# Altium PCB SmartSocket.PcbDoc
Units mil, origin at the board's own origin, x right, y up, seen from the top; angles counter-clockwise.
Board outline 1716 x 1204 mil, 2 copper layers (Top Layer, Bottom Layer); 64 components, 77 nets, 252 pads, 58 vias.
Unrouted connection lines stored in the file: 23.
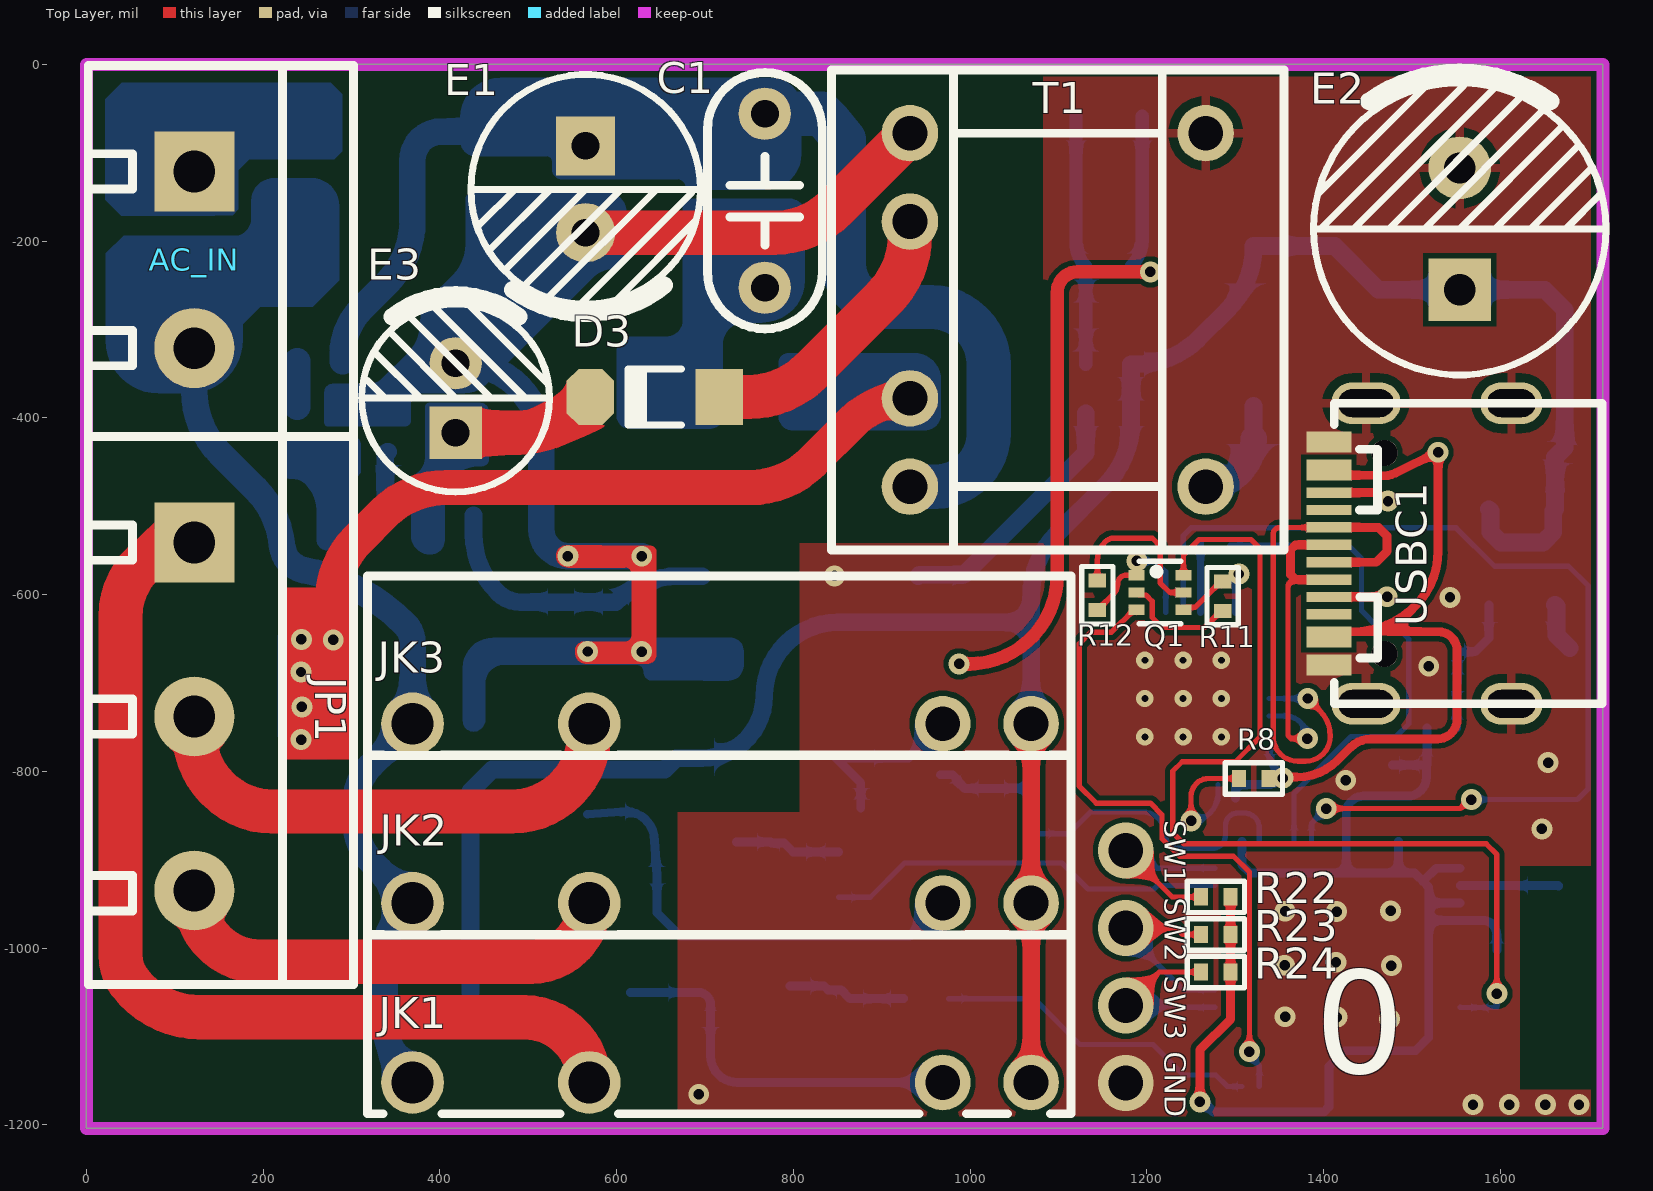
[diagram p0: Top Layer view]
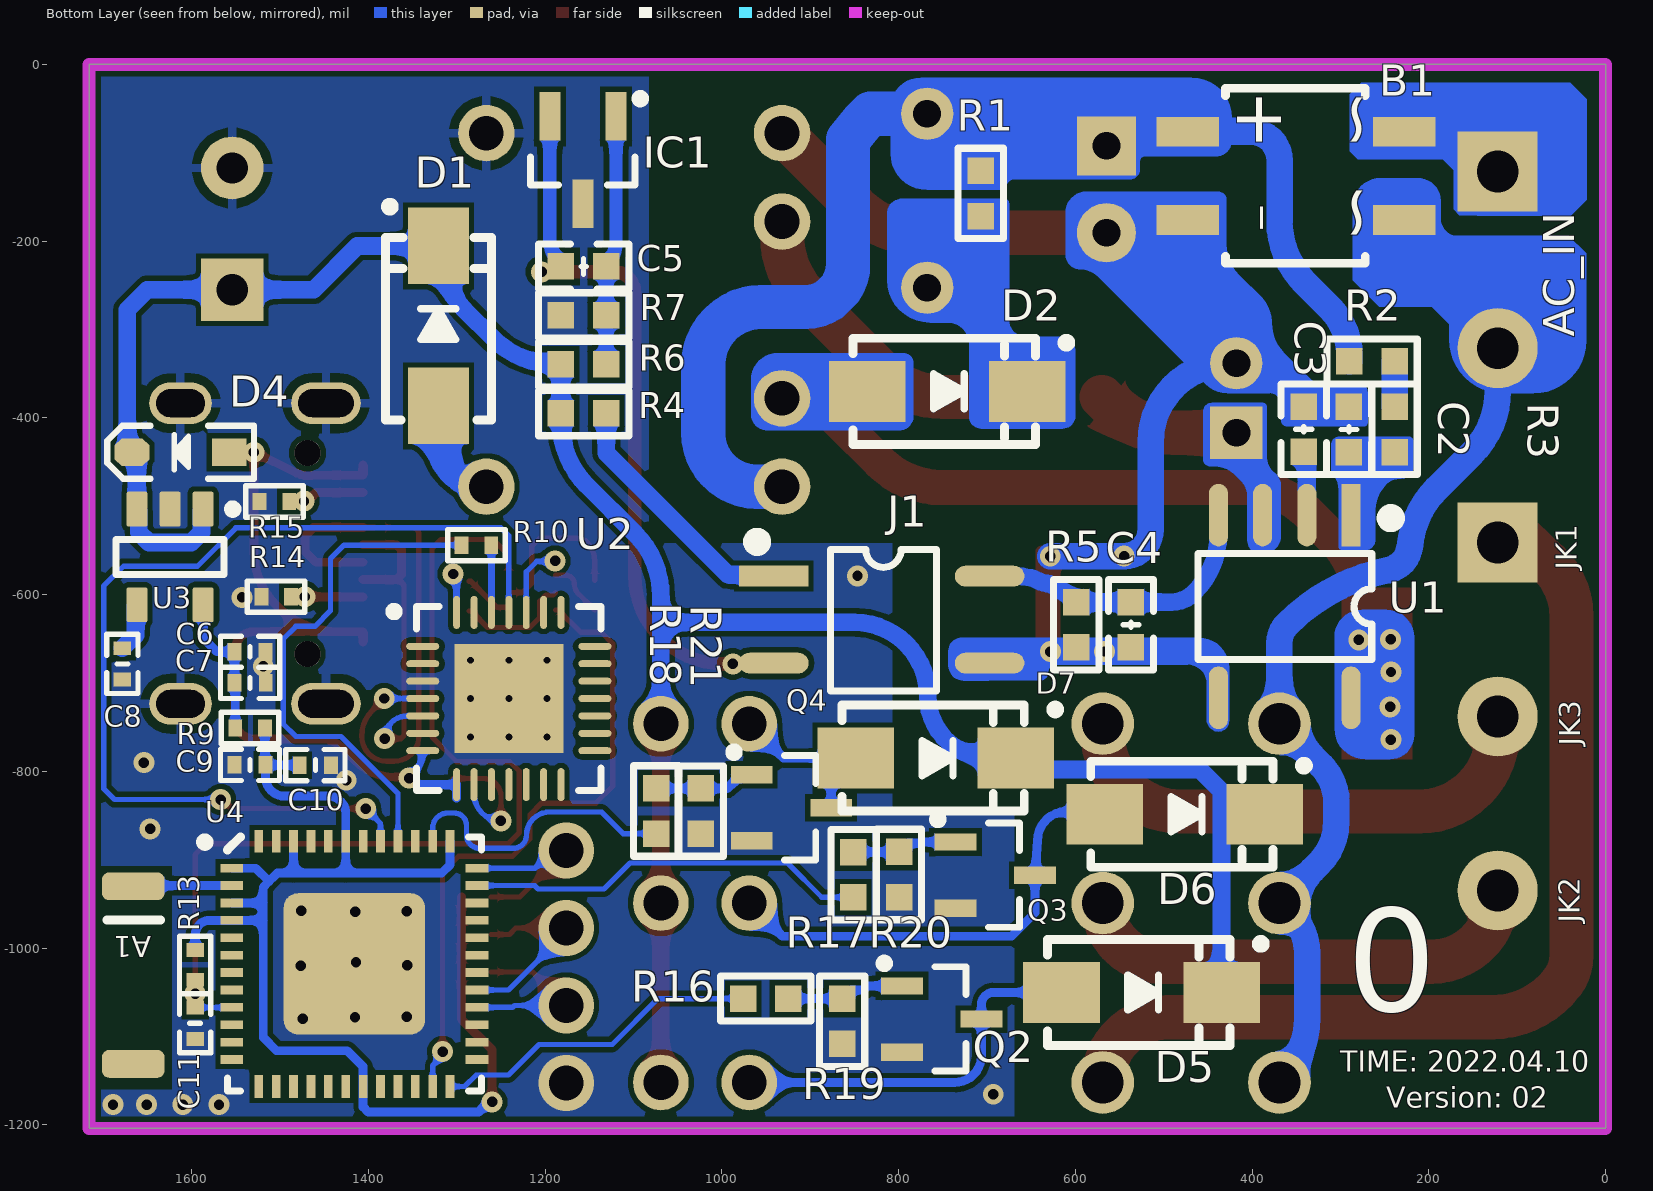
[diagram p1: Bottom Layer view, seen from below]

## Layer stack, top to bottom
Top Solder: solder mask 0.4, Solder Resist, Dk 3.5
Top Layer: signal copper 1.4
Dielectric 1: dielectric 12.6, FR-4, Dk 4.8
Bottom Layer: signal copper 1.4
Bottom Solder: solder mask 0.4, Solder Resist, Dk 3.5

## Board outline
0,-1204 1716,-1204 1716,0 0,0

## Design rules (kind name [scope] priority, off if disabled: settings)
Clearance [All] p1: gap=6 ignorepadtopadclearanceinfootprint=FALSE
ComponentClearance [All] p1: gap=0 collisioncheckmode=3 verticalgap=0 showdistances=FALSE
HoleSize [All] p1: absolutevalues=TRUE maxlimit=3937.01 minlimit=7.87 maxpercent=80.000 minpercent=20.000
HoleToHoleClearance [All] p1: gap=0 allowstackedmicrovias=TRUE
MinimumSolderMaskSliver [All] p1: minsoldermaskwidth=0
PolygonConnect [All] p1: thpad.connectstyle=Relief thpad.reliefconductorwidth=10 thpad.reliefentries=4 thpad.polygonreliefangle="90 Angle" thpad.airgapwidth=10 smdpad.connectstyle=Direct smdpad.reliefconductorwidth=10 smdpad.reliefentries=4 smdpad.polygonreliefangle="90 Angle" smdpad.airgapwidth=10 via.connectstyle=Direct via.reliefconductorwidth=10 via.reliefentries=4 via.polygonreliefangle="90 Angle" via.airgapwidth=10
RoutingVias [All] p1: holewidth=11.81 width=23.62 viastyle="Through Hole" minholewidth=7.87 minwidth=15.75 maxholewidth=3149.61 maxwidth=3937.01
SilkToSilkClearance [All] p1: silktosilkclearance=0
SilkToSolderMaskClearance [IsPad] p1: minsilkscreentomaskgap=0 clearancetoexposedcopper=TRUE
SolderMaskExpansion [All] p1: expansion=4 istentingtop=FALSE
Width [All] p1: maxlimit=100 minlimit=6 preferedwidth=8
24 further rules are at their usual default settings.

## Classes and differential pairs
component class "AC220V-DC5V SCH": AC_IN B1 C1 C2 C3 C4 C5 D1 D2 D3 E1 E2 E3 IC1 J1 R1 R2 R3 R4 R5 R6 R7 T1 U1
component class SmartSocket: A1 C6 C7 C8 C9 C10 C11 D4 D5 D6 D7 JK1 JK2 JK3 JP1 Q1 Q2 Q3 Q4 R8 R9 R10 R11 R12 R13 R14 R15 R16 R17 R18 R19 R20 R21 R22 R23 R24 U2 U3 U4 USB1 USBC1 VT1 VT2

## Components (designator, comment, footprint, x,y, rotation, side; value= is the part's Value field where it differs from the comment)
A1 "AN2051-245" AN2051-245 1666,-1030 r270 bottom
AC_IN "HDR-1X2" KF301-5.0-2P 122,-321 r270 top locked
B1 "MB6S" MBS 350.92,-125.99 r0 bottom
C1 "2.2nF/1KV" "CBB 5*6.3*3" 767.65,-154.17 r90 top
C2 "10nF/50V" "C 0603_L" 290.34,-413 r90 bottom
C3 "331J/50V" "C 0603_L" 341.49,-412.81 r90 bottom
C4 "10nF/50V" "C 0603_L" 537,-634 r270 bottom
C5 "1uF" "C 0603_L" 1156.45,-228.6 r180 bottom
C6 "0.1uF" "C 0402_L" 1533.88,-664.61 r180 bottom
C7 "10uF" "C 0402_L" 1533.85,-699.72 r180 bottom
C8 "10nF" "C 0402_L" 1678.32,-678.38 r270 bottom
C9 "10uF" "C 0402_L" 1533.94,-792.56 r180 bottom
C10 "0.1uF" "C 0402_L" 1459.89,-792.81 r0 bottom
C11 "0.1uF" "C 0402_L" 1596,-1085 r90 bottom
D1 "1N4007" SMA 1320.7,-295.9 r90 bottom
D2 "1N4007" SMA 745.12,-369.88 r180 bottom
D3 "LL4148" "MINI_MELF (LL34)" 643.22,-376.32 r180 top
D4 "B5819WS" SOD-323 1612.51,-438.82 r0 bottom
D5 "SS14" SMA 525.09,-1050.15 r180 bottom
D6 "SS14" SMA 476.26,-848.46 r180 bottom
D7 "SS14" SMA 757.8,-784.92 r180 bottom
E1 "4.7uF/400V" "CAP 2.5*6.3*11.2 - GD" 564.82,-141.29 r270 top
E2 "1000uF/10V" "CAP 3.5*8*11.5" 1554,-186 r90 top locked
E3 "22uF/50V" "CAP 2.0*5*11" 417.79,-377.39 r90 top locked
IC1 "TL431" SOT23-3M 1157.24,-58.73 r0 bottom
J1 "LTV356T" SOP4_N 819.05,-628.21 r180 bottom locked
JK1 "HF49FD/005-1H11" HF49-XX-1H11 369,-1152 r180 top locked
JK2 "HF49FD/005-1H11" HF49-XX-1H11 369,-949 r180 top locked
JK3 "HF49FD/005-1H11" HF49-XX-1H11 369,-746 r180 top locked
JP1 "HDR-1X3" KF301-5.0-3P 122,-737.85 r270 top locked
Q1 "BC847BVC-7" SOT563-6 1214.79,-597.55 r270 top
Q2 "S8050" SOT23-3N 751.18,-1080.17 r270 bottom
Q3 "S8050" SOT23-3N 690.6,-917.32 r270 bottom
Q4 "S8050" SOT23-3N 921.28,-841.25 r270 bottom
R1 "100K" "R 0603_L" 707,-146 r270 bottom
R2 "1M" "R 0603_L" 264.24,-336.1 r180 bottom
R3 "1M" "R 0603_L" 238.66,-413.01 r270 bottom
R4 "150R" "R 0603_L" 1156.45,-394.58 r180 bottom
R5 "10K" "R 0603_L" 599,-634 r90 bottom
R6 "2.49K" "R 0603_L" 1156.45,-339.25 r180 bottom
R7 "2.4K" "R 0603_L" 1156.45,-283.94 r0 bottom
R8 "10K" "R 0402_L" 1322,-808 r180 top
R9 "0R" "R 0402_L" 1532.88,-750.83 r0 bottom
R10 "200R" "R 0402_L" 1276.73,-543.94 r0 bottom
R11 "12K" "R 0402_L" 1285.76,-602.66 r90 top
R12 "12K" "R 0402_L" 1143.93,-599.71 r270 top
R13 "10K" "R 0402_L" 1596,-1020 r90 bottom
R14 "5.1K" "R 0402_L" 1505.38,-602.28 r180 bottom
R15 "5.1K" "R 0402_L" 1507.25,-494.5 r180 bottom
R16 "3k" "R 0603_L" 950.25,-1057.08 r0 bottom
R17 "3k" "R 0603_L" 851.08,-916.8 r270 bottom
R18 "3k" "R 0603_L" 1074.3,-844.79 r270 bottom
R19 "3k" "R 0603_L" 863.91,-1082.79 r90 bottom
R20 "3k" "R 0603_L" 799.52,-916.65 r90 bottom
R21 "3k" "R 0603_L" 1023.89,-844.84 r90 bottom
R22 "10K" "R 0402_L" 1277,-942 r0 top
R23 "10K" "R 0402_L" 1277,-984.5 r0 top
R24 "10K" "R 0402_L" 1277,-1027 r0 top
T1 "EE13-LZK5V" "EE13-5V 4+2" 1099.18,-277.77 r0 top locked
U1 "THX208-N" SOP8-6D 363,-613.35 r270 bottom locked
U2 "CP2102-GMR" SLAB-QFN-28-3125x3125TP_M 1241.03,-717.5 r180 bottom locked
U3 "LP2992IM5-3.3/NOPB" DBV0005A_N 1624.37,-557.31 r270 bottom
U4 "ESP32-PICO-D4" QFN48 1415.78,-1017.79 r180 bottom locked
USBC1 "USB-TypeC-16p" TYPE-C-USB-16P-1 1509.23,-553.4 r90 top locked

## Footprints (in the part's own frame and the unit in brackets; to place one, negate y for a bottom-side part, rotate by r counter-clockwise, add the part's x,y. Pads: shape width x height; smd on the part's side, far side on the other; paste and mask are expansions set on the pad)
AN2051-245 [mm] "天线  5.1mm(L)×2.0mm(W)×1.2mm(H)"
  rrect50% 0.8x1.8 smd: 1(-2.54,0) ""(2.563,0)
  silkscreen extent -1.57,-0.76 -1.57,0.79, body extent -2.57,-0.91 2.54,0.94, height 1.32
"C 0402_L" [mm] "无极性贴片电容"
  rect 0.4x0.5 smd: 1(-0.45,0) 2(0.45,0)
  silkscreen extent -0.85,-0.45 0.85,0.45, body extent -0.5,-0.26 0.5,0.26, height 0.53
"C 0603_L" [mil] "无极性贴片电容"
  rect 30x30 smd: 1(-25.59,0) 2(25.59,0)
  silkscreen extent -51,-26 51,26, body extent -31,-16 31,16, height 32
"CAP 2.0*5*11" [mm] "脚距2mm直径5mm高度11mm"
  rect 1.5x1.5 hole 0.8: 1(-1,0)
  round 1.5 hole 0.8: 2(1,0)
  silkscreen extent -2.7,-2.7 2.96,2.7, body extent -2.5,-2.5 2.51,2.5, height 11.04
"CAP 2.5*6.3*11.2 - GD" [mm] "脚距2.5mm直径6.3mm高度11.2mm"
  rect 1.7x1.7 hole 0.8: 1(-1.25,0)
  round 1.7 hole 0.8: 2(1.25,0)
  silkscreen extent -3.3,-3.3 3.56,3.3, body extent -3.15,-3.15 3.16,3.15, height 11.24
"CAP 3.5*8*11.5" [mm] "脚距3.5mm直径8mm高度11.5mm"
  rect 1.8x1.8 hole 0.9: 1(-1.75,0)
  round 1.8 hole 0.9: 2(1.75,0)
  silkscreen extent -4.2,-4.2 4.5,4.2, body extent -4,-4 4.01,4, height 11.53
"CBB 5*6.3*3" [mm] "脚距5mm高6.3mm厚3mm"
  round 1.5 hole 0.8: 1(-2.5,0) 2(2.5,0)
  silkscreen extent -3.68,-1.65 3.68,1.65, body extent -3.15,-1.5 3.15,1.5, height 6.8
DBV0005A_N [mm] "SOT23, 5-Leads, Body 3.05x1.75mm, Pitch 0.95mm, IPC Medium Density"
  rrect17% 1x0.6 smd: 1(-1.375,0.95) 2(-1.375,0) 3(-1.375,-0.95) 4(1.375,-0.95) 5(1.375,0.95)
  silkscreen extent -1.5,-1.55 0.5,1.92, body extent -1.42,-1.46 1.42,1.46, height 1.08
"EE13-5V 4+2" [mil] "脚距：2.54*8.5 长：13mm，宽：12.5mm，高：11.35mm"
  round 64 hole 39.37: 1(-167.32,200) 2(-167.32,100) 4(-167.32,-100) 5(-167.32,-200) 6(167.32,-200) 10(167.32,200)
  silkscreen extent -256,-272 256,272, body extent -244,-260 244,260, height 486
HF49-XX-1H11 [mm] "一组常开，长：20mm，宽：5mm，高：12.5mm"
  round 1.6 hole 1: 1(-17.78,0) 2(-15.24,0)
  round 1.8 hole 1.2: 3(-5.08,0) 4(0,0)
  silkscreen extent -18.92,-4.24 1.3,0.9, body extent -18.81,-4.16 1.19,0.84, height 12.83
KF301-5.0-2P [mm] "可拼接端子/6A"
  rect 2.3x2.3 hole 1.2: 1(-5.08,0)
  round 2.3 hole 1.2: 2(0,0)
  silkscreen extent -8.13,-3.05 2.54,4.57, body extent -7.95,-3 2.55,4.6, height 10.05
KF301-5.0-3P [mm] "可拼接端子/6A"
  rect 2.3x2.3 hole 1.2: 1(-5,0)
  round 2.3 hole 1.2: 2(0,0) 3(5,0)
  silkscreen extent -8.05,-3.05 7.7,4.57, body extent -7.87,-3 7.63,4.6, height 10.05
MBS [mm] "4.1*6.8*2.5mm(长宽高)"
  rect 1.8x0.85 smd: AC1(-3.127,1.27) AC2(-3.127,-1.27) DC+(3.096,-1.27) DC-(3.096,1.27)
  silkscreen extent -2.01,-2.51 2.01,2.51, body extent -3.4,-2.4 3.4,2.4, height 2.6
"MINI_MELF (LL34)" [mm] "1.5*3.4mm(直径，脚距）"
  rect 1.37x1.62 smd: 1(-1.855,0)
  oct 1.37x1.62 smd: 2(1.855,0)
  silkscreen extent -0.76,-0.8 0.78,0.8, body extent -1.7,-0.75 1.7,0.75, height 1.5
QFN48 [mm] "7mm*7mm（蒜米工坊）"
  rect 0.65x0.25 smd: 1(-3.525,2.75) 2(-3.525,2.25) 3(-3.525,1.75) 4(-3.525,1.25) 5(-3.525,0.75) 6(-3.525,0.25) 7(-3.525,-0.25) 8(-3.525,-0.75) 9(-3.525,-1.25) 10(-3.525,-1.75) 11(-3.525,-2.25) 12(-3.525,-2.75) 25(3.525,-2.75) 26(3.525,-2.25) 27(3.525,-1.75) 28(3.525,-1.25) 29(3.525,-0.75) 30(3.525,-0.25) 31(3.525,0.25) 32(3.525,0.75) 33(3.525,1.25) 34(3.525,1.75) 35(3.525,2.25) 36(3.525,2.75)
  rect 0.25x0.65 smd: 13(-2.75,-3.525) 14(-2.25,-3.525) 15(-1.75,-3.525) 16(-1.25,-3.525) 17(-0.75,-3.525) 18(-0.25,-3.525) 19(0.25,-3.525) 20(0.75,-3.525) 21(1.25,-3.525) 22(1.75,-3.525) 23(2.25,-3.525) 24(2.75,-3.525) 37(2.75,3.525) 38(2.25,3.525) 39(1.75,3.525) 40(1.25,3.525) 41(0.75,3.525) 42(0.25,3.525) 43(-0.25,3.525) 44(-0.75,3.525) 45(-1.25,3.525) 46(-1.75,3.525) 47(-2.25,3.525) 48(-2.75,3.525)
  rrect20% 4.064x4.064 smd: 49(0,0)
  silkscreen extent -4.43,-3.65 3.65,3.65, body extent -3.45,-3.57 3.55,3.43, height 1
"R 0402_L" [mm] "1/16W贴片电阻"
  rect 0.4x0.5 smd: 1(-0.4,0) 2(0.45,0)
  silkscreen extent -0.8,-0.45 0.85,0.45, body extent -0.5,-0.25 0.5,0.25, height 0.3
"R 0603_L" [mil] "1/10W贴片电阻"
  rect 30x30 smd: 1(-25.59,0) 2(25.59,0)
  silkscreen extent -51,-26 51,26, body extent -31,-16 31,16, height 16
SLAB-QFN-28-3125x3125TP_M [mm] "QFN, 28-Leads, Body 5x5mm, Pitch 0.5mm, Thermal Pad 3.13x3.13mm, IPC Low Density"
  oval 0.95x0.2 smd: 1(-2.475,1.5) 2(-2.475,1) 3(-2.475,0.5) 4(-2.475,0) 5(-2.475,-0.5) 6(-2.475,-1) 7(-2.475,-1.5) 15(2.475,-1.5) 16(2.475,-1) 17(2.475,-0.5) 18(2.475,0) 19(2.475,0.5) 20(2.475,1) 21(2.475,1.5)
  oval 0.2x0.95 smd: 8(-1.5,-2.475) 9(-1,-2.475) 10(-0.5,-2.475) 11(0,-2.475) 12(0.5,-2.475) 13(1,-2.475) 14(1.5,-2.475) 22(1.5,2.475) 23(1,2.475) 24(0.5,2.475) 25(0,2.475) 26(-0.5,2.475) 27(-1,2.475) 28(-1.5,2.475)
  rect 3.13x3.13 smd: 29(0,0)
  silkscreen extent -3.42,-2.65 2.65,2.65, body extent -2.5,-2.5 2.5,2.5, height 1
SMA [mm] "4.5x2.6*2.2mm（长宽高，不包括引脚）"
  rect 2.2x1.75 smd: 1(-2.3,0) 2(2.3,0)
  silkscreen extent -2.7,-1.52 3.56,1.52, body extent -2.52,-1.3 2.57,1.3, height 2.15
SOD-323 [mm] "1.8x1.3X0.9mm（长宽高，不包括引脚）"
  rect 1x0.8 smd: 1(-1.4,0)
  oct 1x0.8 smd: 2(1.4,0)
  silkscreen extent -2.11,-0.76 2.11,0.76, body extent -1.34,-0.63 1.31,0.67, height 1
SOP4_N [mm] "4.4*6.8*2.1mm（长宽高）"
  rect 2x0.6 smd: 1(-3.1,1.25)
  oval 2x0.6 smd: 2(-3.1,-1.25) 3(3.1,-1.25) 4(3.1,1.25)
  silkscreen extent -3.74,-2.05 1.57,2.39, body extent -3.4,-2.15 3.4,2.15, height 1.9
SOP8-6D [mm] "5*6*1.8mm（长宽高）"
  rect 1.8x0.55 smd: 1(-2.625,1.905)
  oval 1.8x0.55 smd: 2(-2.625,0.635) 3(-2.625,-0.635) 4(-2.625,-1.905) 5(2.625,-1.905) 8(2.625,1.905)
  silkscreen extent -2.69,-2.5 1.52,3.2, body extent -3,-2.5 3,2.5, height 1.9
SOT23-3M [mm] "3x1.3x1mm(长宽高)"
  rect 0.6x1.4 smd: 1(-0.95,0) 2(0.95,0) 3(0,2.514)
  silkscreen extent -1.78,-0.63 1.5,1.97, body extent -1.5,0.07 1.5,2.47, height 1.05
SOT23-3N [mm] "3x1.3x1mm(长宽高)"
  rect 0.5x1.2 smd: 1(-0.95,-1.143) 2(0.95,-1.143) 3(0,1.143)
  silkscreen extent -1.72,-1.78 1.5,0.7, body extent -1.5,-1.2 1.5,1.2, height 1.05
SOT563-6 [mm]
  rect 0.3x0.45 smd: 1(-0.5,-0.675) 2(0,-0.675) 3(0.5,-0.675) 4(0.5,0.675) 5(0,0.675) 6(-0.5,0.675)
  silkscreen extent -0.9,-0.6 0.9,0.6, body extent -0.8,-0.8 0.8,0.83, height 0.58
TYPE-C-USB-16P-1 [mm]
  oval 1.2x1.8 hole 0.8 slot 1.4 at 90 deg: 0(-4.32,-2.624) 0(4.32,-2.624)
  oval 1.2x2 hole 0.8 slot 1.6 at 90 deg: 0(-4.32,1.556) 0(4.32,1.556)
  rect 0.3x1.3 smd: A1(-3.35,2.623) A4(-2.55,2.623) A5(-1.25,2.623) A6(-0.25,2.623) A7(0.25,2.623) A8(-1.75,2.624) A9(2.55,2.623) A12(3.35,2.623) B1(3.05,2.623) B4(2.25,2.623) B5(1.75,2.623) B6(0.75,2.623) B7(-0.75,2.623) B8(1.25,2.624) B9(-2.25,2.623) B12(-3.05,2.623)
  round 0.75 hole 0.75 unplated: ""(-2.89,1.026) ""(2.89,1.026)
  silkscreen extent -4.32,-5.23 4.32,2.47, body extent -4.45,-5.2 4.5,2.55, height 3.26

## Part data
A1: library part ANT-Rainsun-AP2051, "天线AN2051-245"
AC_IN: library part "Header 02 5.0", "2P接插件", BOM名称=2P接插件, 学习资源=www.ooocke.com, 版权归属=源创客
B1: library part DB, "整流桥", BOM名称=整流桥, 学习资源=www.ooocke.com, 版权归属=源创客
C1: library part C-CBB, "CBB电容", BOM名称=CBB电容, 学习资源=www.ooocke.com, 版权归属=源创客
C2 C3 C4 C5 C6 C7 C8 C9 C10 C11: library part C, "无极性贴片电容", BOM名称=无极性贴片电容, 学习资源=www.ooocke.com, 版权归属=源创客
D1 D2: "整流二极管", BOM名称=整流二极管, 学习资源=www.ooocke.com, 版权归属=源创客
D3: library part 1N4148, "高速开关二极管", BOM名称=高速开关二极管, 学习资源=www.ooocke.com, 版权归属=源创客
D4: library part 1N5819, "肖特基二极管", BOM名称=肖特基二极管, 学习资源=www.ooocke.com, 属性=40V/2A, 版权归属=源创客
D5 D6 D7: "肖特基二极管", BOM名称=肖特基二极管, 学习资源=www.ooocke.com, 属性=40V/1A, 版权归属=源创客
E1 E2 E3: library part C-CAP, "直插电解电容", BOM名称=直插电解电容, 学习资源=www.ooocke.com, 版权归属=源创客
IC1: library part TL431_SMD, "可调基准稳压芯片", BOM名称=可调基准稳压芯片, 学习资源=www.ooocke.com, 版权归属=源创客
J1: library part TLP181, "光耦", BOM名称=光耦, 学习资源=www.ooocke.com, 版权归属=源创客
JK1 JK2 JK3: "5V一组常开"
JP1: library part "Header 03 5.0", "3P接插件", BOM名称=3P接插件, 学习资源=www.ooocke.com, 版权归属=源创客
Q2 Q3 Q4: library part 8050-SMD, "高频放大-NPN型", BOM名称=高频放大-NPN型, 学习资源=www.ooocke.com, 属性="40V 1.5A 1W 100MHZ", 版权归属=源创客
R1 R2 R3 R4 R5 R6 R7 R8 R9 R10 R11 R12 R13 R14 R15 R16 R17 R18 R19 R20 R21 R22 R23 R24: library part R, "贴片电阻", BOM名称=贴片电阻, 学习资源=www.ooocke.com, 版权归属=源创客
T1: "EE13-LZK5V型 2.50mH立式 高频变压器", 购买链接=https://item.taobao.com/item.htm?spm=a1z0d.6639537.1997196601.13.1d207484ADZQT6&id=567021687365
U1: "开关电源芯片"
U2: library part CMP-2000-04924-1, "Single-Chip USB to URAT Bridge, 3.3 V, -40 to 85 degC, 28-Pin QFN, RoHS, Tape and Reel", Manufacturer="Silicon Labs", Operating Supply Voltage (Max)=3.6V, Operating Supply Voltage (Min)=3V, Operating Supply Voltage (Typ)=3.3V, Operating Temperature (Max)=85C, Operating Temperature (Min)=-40C, Operating Temperature Classification=Industrial, Package Description="28-Pin Quad-Flat No-Leads Package, Body 5 x 5 mm, Pitch 0.5 mm", Package Reference=QFN-28, Package Type=QFNEP, Supply Current=26mA, Data Rate=1000kbps, Datasheet URL=http://www.mouser.com/ds/2/368/CP2102-9-247052.pdf, Datasheet Version="Rev. 1.6, 12/2013", Interface Circuit Standard 1=RS-232, Manufacturer URL=http://www.silabs.com/, Mounting=SurfaceMount, Number of Channels=1, Package URL=http://www.silabs.com/Support%20Documents/TechnicalDocs/C8051T61x.pdf, Packaging=TapeandReel, Pin Count=28, Rad Hardened=No, Transmitter and Receiver FIFO Counter=No
U3: library part CMP-0062-02175-3, "Micropower 250 mA Low-Noise Ultra Low-Dropout Regulator, 5-pin SOT-23, Pb-Free", Manufacturer="Texas Instruments", PackageTopMarking=LFEB*XTT, PowerWise=N, ComponentLink1Description="Datasheet URL", ComponentLink1URL=http://www.ti.com/general/docs/lit/getliterature.tsp?genericPartNumber=LP2992&fileType=pdf, CompType="LDO IC", PackageDescription="Molded SOT-23, .115 x .063 x .040 in Body, 5 Lead, .0375 in Pitch", PackageReference=DBV0005A, PinCount=5, RoHS=Y

## Via types
v1: diameter 23.62, hole 11.81, Top Layer to Bottom Layer, 45 vias
v2: diameter 19.68, hole 7.87, Top Layer to Bottom Layer, 9 vias
v3: diameter 62.99, hole 39.37, Top Layer to Bottom Layer, 4 vias

## Nets (pads, with @x,y where several pads share a name; then routed paths per layer and width w, separated by ;. In a path a pad name is that pad's centre, name@x,y a point inside that pad or via, vN(x,y) a via of type N, cw(c..) or ccw(c..) an arc to the next point about the centre after c; other vN are vias at no path point)
3V3A: C9.2 C10.2 R9.1 R13.2 R22.2 R23.2 R24.2 U4.1 U4.3 U4.4 U4.19 U4.37 U4.43 U4.46 | length 1490.4
  Top Layer w10: v1(1260,-1174) 1260,-1115 1294.71,-1080.29 R24.2 R23.2 R22.2
  Bottom Layer w10: v1(1260,-1174) 1263.69,-1174 1275.19,-1185.5 1400.08,-1185.5 1405.94,-1179.64 U4.19 1405.94,-1134.06 1424,-1116 1504,-1116 1519,-1101 1519,-968.57 ; U4.37 1307.51,-905.51 1317,-915 1425.62,-915 ; C10.2 C9.2@1516.22,-792.8 ; U4.46 1484.68,-915 ; R9.1 1517.13,-791.66 cw(c1516.22,-791.66) C9.2 C9.2@1516.22,-792.8 ; U4.3 1519,-948.89 ; U4.1 1527.41,-909.52 1512.46,-924.46 ; R13.2 1596,-985 ccw(c1579.57,-985) 1579.57,-968.57 U4.4 1519,-968.57 ; 1425.62,-915 1484.68,-915 ; 1425.62,-915 U4.43 1425.62,-847.38 cw(c1445,-847.38) 1445,-828 1495,-828 ccw(c1495,-806.78) 1516.22,-806.78 C9.2@1516.22,-792.8 ; 1484.68,-915 1503,-915 1505.93,-917.93 1512.46,-924.46 ; 1512.46,-924.46 1519,-931 1519,-948.89 ; 1519,-968.57 1519,-948.89
+5V: D1.2 D4.2 D5.2 D6.2 D7.2 E2.1 JK1.1 JK2.1 JK3.1 R4.1 R6.1 U3.1 U3.3 | length 2773.7
  Top Layer w20: JK1.1 JK2.1 JK3.1
  Bottom Layer w20: D5.2 434.54,-822.31 459.1,-797.76 654.41,-797.76 D7.2 696.47,-784.92 ccw(c696.47,-714.4) 766.99,-714.4 cw(c850.1,-714.4) 850.1,-631.3 1069,-631.3 ; JK3.1 1069,-631.3 ; U3.1 1588.78,-504.99 1588.78,-529.19 1600.5,-540.91 1648.25,-540.91 1659.96,-529.19 1659.96,-504.99 U3.3 1661.77,-444.57 1667.52,-438.82 D4.2 1672.89,-433.55 1672.89,-277.72 1650.07,-254.9 E2.1 1461.97,-254.9 1412.42,-205.35 D1.2 1320.7,-206.66 cw(c1220.7,-206.66) 1291.41,-277.37 1258.81,-309.97 cw(c1188.1,-239.26) 1188.1,-339.26 R6.1 R4.1 1182.04,-405.56 cw(c1082.04,-405.56) 1152.75,-476.27 1098.29,-530.73 ccw(c1169,-601.44) 1069,-601.44 1069,-631.3
+16V: D3.1 T1.2 | length 322.8
  Top Layer w50: D3.1 749.14,-376.32 ccw(c749.14,-276.32) 819.85,-347.03 902.57,-264.32 ccw(c831.86,-193.61) 931.86,-193.61 T1.2
+311V: B1.DC+ C1.2 E1.1 R1.1 R2.1 T1.5 | length 1049.6
  Bottom Layer w30: R2.1 289.83,-328.73 cw(c365.2,-328.73) 311.91,-275.43 339.65,-247.69 ccw(c268.94,-176.98) 368.94,-176.98 368.94,-108.34 cw(c401.29,-108.34) 401.29,-75.99 B1.DC+
  Bottom Layer w50: C1.2 831.7,-55.75 840,-64.05 857.06,-85.04 857.06,-226.12 ccw(c905.29,-226.12) 865.77,-253.76 877.64,-265.63 ccw(c905.29,-226.12) 905.29,-274.34 955.12,-274.34 cw(c955.12,-340.32) 1021.1,-340.32 1021.1,-417.07 cw(c960.4,-417.07) 960.4,-477.77 T1.5 T1.5@931.86,-478.36
AC_L: AC_IN.2 B1.AC1 JK1.4 JK2.4 JK3.4 | length 1015.2
  Bottom Layer w30: AC_IN.2 122,-369.58 ccw(c222,-369.58) 151.29,-440.29 191.36,-480.36 cw(c118.58,-553.14) 220.95,-542.39 ccw(c262.81,-537.99) 224.01,-554.33 224.05,-554.4 ccw(c251.66,-542.68) 245.67,-572.08 cw(c201.94,-791.74) 360.24,-633.3 cw(c339,-654.49) 369,-654.49 JK3.4 322.22,-792.78 ccw(c365.04,-835.61) 304.48,-835.61 304.48,-856.75 ccw(c371.43,-856.75) 324.09,-904.09 JK2.4 355.39,-962.61 ccw(c398.3,-1005.52) 337.61,-1005.52 337.61,-1079.19 ccw(c437.61,-1079.19) 366.9,-1149.9 JK1.4
AC_N: AC_IN.1 B1.AC2
CP_Rx: U2.25 U4.41 | length 1155.1
  Top Layer w6: v1(1403,-842) 1554.79,-842 1564.91,-831.88 v1(1567.12,-831.88)
  Bottom Layer w6: U2.25 1241.03,-533.45 1250.11,-524.37 1549.91,-524.37 1593.42,-567.88 1677.1,-567.88 1699.5,-590.28 1699.5,-819.5 1687.12,-831.88 v1(1567.12,-831.88) ; U4.41 1386.25,-858.75 v1(1403,-842)
CP_Tx: R10.2 U4.40 | length 592.9
  Bottom Layer w6: R10.2 1427.46,-543.94 1442.75,-559.23 1442.75,-618.07 1460.51,-635.83 1482.03,-635.83 1496.34,-650.14 1496.34,-746.18 1482.04,-760.48 1430.88,-760.48 1366.57,-824.8 U4.40
DTR: Q1.4 R11.2 U2.28 | length 102.8
  Top Layer w6: Q1.4 1244.27,-614.32 1254.43,-614.32 1283.8,-584.95 R11.2
  Bottom Layer w8: U2.28 1300.08,-584.79 1304.03,-580.85 v1(1304.03,-576.62)
ESP_EN: C11.2 Q1.6 R13.1 U4.9 | length 1125.6
  Top Layer w6: Q1.6 1241.37,-555.08 1258.93,-537.51 1317.68,-537.51 1327.96,-547.8 1327.96,-761.04 1300,-789 1240,-789 1229.19,-799.81 1229.19,-869.19 1242,-882 1584,-882 1596,-894 v1(1596,-1051.38)
  Bottom Layer w6: U4.9 1554.7,-1067.14 1595.85,-1067.14 1596,-1067 v1(1596,-1051.38) R13.1
FLASH_CLK: U4.31
FLASH_CS: U4.25
FLASH_SD0: U4.27
FLASH_SD1: U4.33
FLASH_SD2: U4.30
FLASH_SD3: U4.32
GND: C6.2 C7.2 C8.2 C9.1 C10.1 C11.1 E2.2 IC1.3 Q2.2 Q3.2 Q4.2 R7.2 R14.1 R15.1 R19.1 R20.1 R21.1 T1.10 U2.3 U2.29 U3.2 U4.49 USBC1.0 USBC1.A1 USBC1.A12 USBC1.B1 USBC1.B12
  other v1: 1569,-1177 1610,-1177 1651,-1177 1689,-1177 692.91,-1165.35 1474.32,-1079.97 1415.11,-1078.08 1356.38,-1077.61 1355.9,-1019.35 1476.69,-1019.82 1414,-1016 1356.38,-958.23 1414.64,-958.72 1475.74,-957.77 1647,-865 1425,-810 1654,-790 1519,-681 1543,-603 846.46,-578.74
  other v2: 1197.72,-760.81 1241.03,-760.81 1284.34,-760.81 1197.72,-717.5 1241.03,-717.5 1284.34,-717.5 1197.72,-674.2 1241.03,-674.2 1284.34,-674.2
  other v3: 1176.13,-1152.56
GPIO0: Q1.3 U4.23 | length 737.9
  Top Layer w6: Q1.3 1185.26,-617.22 1160.03,-642.45 1136.52,-642.45 1123.28,-655.69 1123.28,-816.52 1142.64,-835.88 1203.88,-835.88 1217.19,-849.19 1217.19,-876.19 1237,-896 1298,-896 1316,-914 v1(1316,-1117)
  Bottom Layer w6: v1(1316,-1117) 1316,-1121.77 1327.2,-1132.97 U4.23 U4.23@1327.1,-1156.47
GPIO2: U4.22
GPIO4: R16.2 U4.24 | length 372.9
  Bottom Layer w6: R16.2 1072.08,-1057.08 1124,-1109 1207,-1109 1241.5,-1143.5 1277.93,-1143.5 1291,-1156.57 U4.24
GPIO5: U4.34
GPIO9: R24.1 U4.28 | length 202.6
  Top Layer w6: v3(1176.13,-1064.86) 1213.99,-1027 R24.1
  Bottom Layer w6: v3(1176.13,-1064.86) 1234.72,-1064.86 1236.86,-1067 U4.28
GPIO10: R23.1 U4.29 | length 221
  Top Layer w6: v3(1176.13,-977.16) 1233.15,-977.16 1240.5,-984.5 R23.1
  Bottom Layer w6: v3(1176.13,-977.16) 1176.13,-982.13 1241.32,-1047.31 U4.29
GPIO12: U4.18
GPIO13: U4.20
GPIO14: U4.17
GPIO15: U4.21
GPIO18: R17.2 U4.35 | length 455.6
  Bottom Layer w6: R17.2 886.95,-942.39 925.61,-903.73 1104.01,-903.73 1133.28,-933 1208,-933 1211.8,-929.2 U4.35
GPIO19: R18.2 U4.38 | length 338.6
  Bottom Layer w6: R18.2 1111.63,-870.37 1136,-846 1195,-846 cw(c1195,-872) 1221,-872 ccw(c1236,-872) 1236,-887 1274,-887 ccw(c1274,-872) 1289,-872 1289,-861 cw(c1303,-861) 1303,-847 1310,-847 cw(c1310,-864.2) 1327.2,-864.2 U4.38
GPIO21: U4.42
GPIO22: U4.39
GPIO23: R22.1 U4.36 | length 216.1
  Top Layer w6: v3(1176.13,-889.46) 1228.67,-942 R22.1
  Bottom Layer w6: v3(1176.13,-889.46) 1191.55,-889.46 1211.61,-909.52 U4.36
GPIO25: U4.14
GPIO26: U4.15
GPIO27: U4.16
GPIO32: U4.12
GPIO33: U4.13
GPIO34: U4.10
GPIO35: U4.11
GPIO37: U4.6
GPIO38: U4.7
H_GND: B1.DC- C2.2 C3.2 C4.2 E1.2 E3.2 J1.3 R5.1 T1.1 U1.5 | length 815.7
  Top Layer w50: E1.2 777.7,-190.51 ccw(c777.7,-90.51) 848.42,-161.22 T1.1
  Bottom Layer w20: U1.5 U1.5@438,-688.06
  Bottom Layer w30: E3.2@417.82,-338.39 cw(c425.41,-427.4) 514.75,-427.4 514.75,-526.17 ccw(c544.87,-526.17) v1(544.87,-556.29) 545.13,-556.55 v1(628.4,-556.55)
  other v1: 567.06,-664.32 628.14,-664.36
JK1: JK1.3 JP1.1 | length 1122.4
  Top Layer w50: JP1.1 ccw(c122,-624.5) 57.09,-571.98 ccw(c122,-624.5) 38.5,-624.5 38.5,-1008.22 ccw(c88.5,-1008.22) 48.5,-1038.22 ccw(c128.5,-978.22) 128.5,-1078.22 495.22,-1078.22 cw(c495.22,-1152) JK1.3
JK2: JK2.3 JP1.3 | length 533.1
  Top Layer w50: JP1.3 122,-939.66 ccw(c197.77,-939.66) 197.77,-1015.43 502.57,-1015.43 ccw(c502.57,-949) JK2.3
JK3: JK3.3 JP1.2 | length 577.4
  Top Layer w50: JP1.2@124.11,-738.29 ccw(c211.25,-756.49) 211.25,-845.51 480.65,-845.51 ccw(c480.65,-757.25) JK3.3@568.2,-746.1
NetA1_1: A1.1 U4.2 | length 111.9
  Bottom Layer w10: U4.2 1665.2,-929.2 cw(c1665.2,-930) A1.1
NetC1_1: C1.1 D2.2 R1.2
NetC2_1: C2.1 R3.2 U1.1
NetC3_1: C3.1 U1.2 | length 73.6
  Bottom Layer w20: U1.2 338,-441.89 cw(c341.48,-441.89) C3.1
NetC4_1: C4.1 J1.4 R5.2 U1.4 | length 337.3
  Bottom Layer w20: U1.4 438,-531.04 ccw(c532.4,-531.04) 465.65,-597.8 ccw(c491.27,-572.18) 491.27,-608.41 C4.1 R5.2 599.12,-608.29 604,-603.71 ccw(c593.85,-591.34) 604.27,-603.49 cw(c669.83,-679) 625.84,-589.19 cw(c634.6,-607.18) 632.13,-587.33 ccw(c628.4,-556.55) 644.11,-583.28 cw(c654.21,-600.54) 650.25,-580.94 cw(c669.83,-679) 669.52,-579 J1.4
NetC5_1: C5.1 IC1.2 J1.2 | length 780.4
  Top Layer w15: v1(987.54,-678.23) 998.49,-678.23 ccw(c998.49,-578.23) 1098.49,-578.23 1098.49,-257.77 cw(c1121.59,-257.77) 1121.59,-234.67 v1(1203.99,-234.67)
  Bottom Layer w15: C5.1 ccw(c1151.61,-198.18) 1194.64,-198.18 IC1.2
NetC5_2: C5.2 IC1.1 R6.2 R7.1 | length 283.5
  Bottom Layer w15: IC1.1 1119.84,-202.01 ccw(c1157.46,-202.01) C5.2 R7.1 R6.2
NetC8_1: C8.1 U3.4 | length 56.1
  Bottom Layer w20: U3.4 1663.58,-613.25 1663.58,-645.92 C8.1
NetD1_1: D1.1 T1.6 | length 122.3
  Bottom Layer w20: D1.1@1320.7,-423.58 D1.1
  Bottom Layer w30: T1.6 ccw(c1266.51,-423.58) D1.1@1320.7,-423.58
NetD2_1: D2.1 T1.4 U1.8 | length 762.3
  Top Layer w40: 278.22,-613.67 278.22,-607.53 cw(c378.22,-607.53) 307.51,-536.82 336.29,-508.04 cw(c407,-578.75) 407,-478.75 750.84,-478.75 ccw(c750.84,-378.75) 821.55,-449.46 865.93,-405.08 cw(c931.86,-471.01) T1.4
  other v1: 242.85,-764.05 243.79,-726.92 242.8,-687.5 279.21,-651.09 243.29,-650.59
NetD3_2: D3.2 E3.1 U1.3 | length 164.8
  Top Layer w50: E3.1 488.32,-416.77 ccw(c488.32,-316.77) 559.03,-387.48 D3.2
NetD5_1: D5.1 JK1.2 Q2.3 | length 436.3
  Bottom Layer w10: D5.1 692.68,-1050.15 cw(c692.68,-1063.65) 706.18,-1063.65 Q2.3 706.18,-1121.51 ccw(c736.67,-1121.51) 736.67,-1152 JK1.2
NetD6_1: D6.1 JK2.2 Q3.3 | length 526.6
  Bottom Layer w10: D6.1 604.87,-845.74 604.92,-845.73 ccw(c604.15,-835.76) 605.44,-845.68 cw(c609.9,-878.28) 642.8,-878.27 642.82,-878.61 Q3.3 645.6,-959.93 672.23,-986.56 931.44,-986.56 JK2.2
NetD7_1: D7.1 JK3.2 Q4.3 | length 204.7
  Bottom Layer w10: Q4.3 876.28,-812.84 D7.1 930.08,-784.92 JK3.2
NetJ1_1: J1.1 R4.2 | length 292.5
  Bottom Layer w20: J1.1 942.71,-577.39 993.09,-577.39 1130.86,-439.62 R4.2
NetQ1_2: Q1.2 R11.1 | length 132.3
  Top Layer w6: Q1.2 1191.12,-600.45 1198.93,-600.45 1206.07,-607.59 1206.07,-625.75 1217.39,-637.06 1265.15,-637.06 1283.8,-618.41 R11.1
NetQ1_5: Q1.5 R12.1 | length 185.6
  Top Layer w6: R12.1 1143.92,-561.7 cw(c1174.42,-561.7) 1152.86,-540.13 cw(c1162.53,-549.81) 1162.53,-536.13 1206.13,-536.13 1215,-545 1215,-586.64 1225.9,-597.55 Q1.5
NetQ2_1: Q2.1 R16.1 R19.2 | length 134.5
  Bottom Layer w10: Q2.1 834.8,-1042.77 839.24,-1047.2 853.9,-1047.2 R19.2 864.03,-1057.08 R16.1
NetQ3_1: Q3.1 R17.1 R20.2 | length 120.2
  Bottom Layer w10: Q3.1 774.22,-879.92 775.36,-881.06 789.52,-881.06 R20.2 799.66,-891.21 R17.1
NetQ4_1: Q4.1 R18.1 R21.2 | length 115.3
  Bottom Layer w10: Q4.1 980.06,-803.85 984.9,-808.69 984.9,-810.26 993.89,-819.25 R21.2 1023.95,-819.19 R18.1
NetR2_2: R2.2 R3.1 | length 51.3
  Bottom Layer w30: R3.1 R2.2@238.67,-336.1
NetR8_2: R8.2 U2.9 | length 152.1
  Top Layer w6: v1(1250,-856) 1250,-828 cw(c1270,-828) 1270,-808 R8.2
  Bottom Layer w6: v1(1250,-856) ccw(c1250,-825.6) 1280.4,-825.6 U2.9
NetR10_1: R10.1 U2.26 | length 81.6
  Bottom Layer w8: R10.1@1260.44,-538.55 1260.71,-538.83 U2.26
NetR14_2: R14.2 USBC1.A5 | length 66
  Top Layer w10: USBC1.A5 1406.09,-602.47 1471.68,-602.47 v1(1471.82,-602.33)
NetR15_2: R15.2 USBC1.B5 | length 70.9
  Top Layer w10: USBC1.B5 1459.52,-484.5 1469.16,-494.14 v1(1472.85,-494.14)
RTS: Q1.1 R12.2 U2.24 | length 149.1
  Top Layer w6: R12.2 1162.35,-599 ; 1162.36,-599 ccw(c1151.4,-588.05) 1166.89,-588.05 cw(c1177.08,-588.05) 1177.08,-577.86 Q1.1
  Bottom Layer w6: v1(1188.7,-561.8) 1189.2,-562.3 1209.51,-562.3 1221.34,-574.14 U2.24
SENSOR_VN: U4.8
SENSOR_VP: U4.5
USB-PWR-DM: U2.5 USBC1.A7 USBC1.B7 | length 382.1
  Top Layer w6: 1368.32,-582.93 ccw(c1368.32,-591.63) 1359.62,-591.63 1359.62,-759.41 1363.13,-762.93 v1(1381.54,-762.93)
  Top Layer w10: USBC1.B7 1368.32,-582.93 1362.46,-577.07 1362.46,-549.42 1368.32,-543.56 USBC1.A7
  Bottom Layer w6: U2.5 1355.8,-737.19 cw(c1355.8,-762.93) v1(1381.54,-762.93)
USB-PWR-DP: U2.4 USBC1.A6 USBC1.B6 | length 646.3
  Top Layer w6: v1(1382.01,-717.48) 1395.37,-730.84 cw(c1366.02,-760.19) 1407.53,-760.19 cw(c1379.17,-760.19) 1379.17,-788.55 1370.89,-788.55 cw(c1370.89,-760.5) 1342.84,-760.5 1342.84,-531.69 cw(c1350.66,-531.69) 1350.66,-523.87 USBC1.B6
  Top Layer w10: USBC1.A6 1459.38,-563.24 1471.76,-550.86 1471.76,-533.68 1461.96,-523.87 USBC1.B6
  Bottom Layer w6: U2.4 v1(1382.01,-717.48)
VBUS: D4.1 R8.1 U2.7 U2.8 USBC1.A4 USBC1.A9 USBC1.B4 USBC1.B9 | length 979.2
  Top Layer w10: v1(1353.84,-807.57) 1354.91,-806.5 1369.66,-806.5 ccw(c1369.66,-741.45) 1415.66,-787.45 1430.17,-772.94 cw(c1453.61,-796.37) 1453.61,-763.23 1528.77,-763.23 ccw(c1528.77,-741) 1551,-741 1551,-663 ccw(c1529.98,-663) 1529.98,-641.98 1475.12,-641.98 cw(c1475.17,-631.98) 1473.44,-641.83 ccw(c1468.84,-667.18) 1464.25,-641.83 cw(c1462.52,-631.98) 1462.56,-641.98 1432.95,-641.98 ; USBC1.A4 USBC1.B9 1432.95,-641.98 ; USBC1.A9 USBC1.B4 1462.56,-464.82 cw(c1462.52,-474.82) 1464.25,-464.97 ccw(c1468.84,-439.62) 1480.95,-462.36 cw(c1485.61,-471.21) 1481.28,-462.19 v1(1529.51,-438.82) 1529.51,-550.58 cw(c1441.95,-550.58) 1503.86,-612.49 1503.66,-612.69 cw(c1432.95,-541.98) 1432.95,-641.98
  Bottom Layer w8: U2.7@1339.31,-776.56 U2.7 ccw(c1376.24,-776.56) 1349.53,-803.27 v1(1353.84,-807.57)
  Bottom Layer w10: U2.8@1300.08,-830.25 U2.8 1336.04,-814.94 ccw(c1336.04,-789.77) v1(1353.84,-807.57)
VCC_3V3: C6.1 C7.1 R9.2 U3.5 | length 166.7
  Bottom Layer w10: R9.2 1550.59,-699.72 C7.1 ; C7.1@1551.59,-699.71 1551.59,-664.63 1571.51,-664.61 1586.97,-649.15 U3.5
pads on no net: A1. U2.1 U2.2 U2.6 U2.10 U2.11 U2.12 U2.13 U2.14 U2.15 U2.16 U2.17 U2.18 U2.19 U2.20 U2.21 U2.22 U2.23 U2.27 U4.26 U4.44 U4.45 U4.47 U4.48 USBC1. USBC1.A8 USBC1.B8

## Polygon pours and split planes (outlines as drawn)
GND on Top Layer "GND_L01_P003" (solid, remove dead copper, pour order 3): 1622.05,-906.94 1716,-906.94 1716,0 1082.68,0 1082.68,-541.6 807.09,-541.6 807.09,-846.46 669.29,-846.46 669.29,-1204 1716,-1204 1716,-1160 1622.05,-1160
GND on Bottom Layer "GND_L02_P004" (solid, remove dead copper, pour order 4): 1622.05,-907 1716,-907 1716,0 1082.68,0 1082.68,-541.6 807.09,-541.6 807.09,-846.46 669.29,-846.46 669.29,-1204 1716,-1204 1716,-1160 1622.05,-1160

## Keep-outs
Keep-Out Layer:
  the board outline again, w15

## Other copper
Top Layer:
  rectangle net NetD2_1: 218.55,-786.46 298.6,-592.05
  region net VBUS: 1496.01,-635.15 ccw(c1500.48,-630.68) 1500.48,-637 1511,-637 cw(c1508.59,-639.41) 1512,-639.41 1512,-641 1490.47,-641 cw(c1490.47,-618.59) 1474.62,-634.44 cw(c1480.27,-634.44) 1476.28,-630.45 1481.54,-625.18 cw(c1495.94,-639.57) 1495.94,-619.22 1504.04,-619.29 1498.87,-624.46 ccw(c1505.76,-631.36) 1496.01,-631.36
  region net H_GND: 531.56,-555.11 cw(c542.37,-555.11) 542.37,-544.3 546.88,-544.31 583.39,-544.3 637.91,-544.58 cw(c637.91,-551.6) 644.93,-551.6 644.93,-668.09 cw(c634.79,-668.09) 634.79,-678.23 565.62,-678.23 cw(c565.62,-665.49) 552.88,-665.49 552.88,-663.41 cw(c563.28,-663.41) 563.28,-653.01 610.34,-653.01 ccw(c610.34,-646.51) 616.85,-646.51 616.85,-576.3 ccw(c609.82,-576.3) 609.82,-569.27 544.55,-569.27 cw(c544.55,-556.28) 531.56,-556.28
Bottom Layer:
  region net AC_L: 176.75,-294.14 196.89,-274 256,-274 286,-244 286,-179.3 286,-160.22 ccw(c254.41,-160.21) 254.41,-128.63 212.29,-128.63 ccw(c212.29,-154.29) 186.62,-154.29 186.62,-167.78 186.62,-174.38 cw(c167,-174.38) 167,-194 42,-194 22.08,-213.92 22.08,-312.89 ccw(c81.32,-312.89) 81.32,-372.13 116.2,-372.13 ccw(c116.21,-311.58) 176.75,-311.58
  region net NetD2_1: 247.84,-617.05 276.04,-617.05 cw(c276.04,-647.56) 306.55,-647.56 306.55,-751.81 cw(c272.09,-751.81) 272.09,-786.27 243.84,-786.27 cw(c243.84,-759.15) 216.72,-759.15 216.72,-648.16 cw(c247.84,-648.16)
  region net H_GND: 697.81,-697.12 726.94,-697.12 ccw(c726.94,-680.43) 743.62,-680.43 743.62,-663.73 ccw(c728.65,-663.73) 728.65,-648.76 459.8,-648.76 ccw(c459.8,-682.58) 425.98,-682.58 425.98,-742.94 ccw(c437.96,-742.94) 437.96,-754.93 ccw(c437.96,-741.66) 451.23,-741.66 451.23,-700.56 cw(c472.64,-700.56) 472.64,-679.16 622.02,-679.16 cw(c622.02,-687.85) 630.72,-687.85 ccw(c639.93,-687.85) 639.93,-697.06 697.84,-697.06
  region net NetD3_2: 367.26,-476.47 cw(c384.12,-476.47) 372.2,-464.55 377.58,-459.17 ccw(c363.95,-445.53) 383.23,-445.53 383.23,-432.03 383.23,-387.83 cw(c388.07,-387.83) 388.07,-383 445.75,-382.99 445.77,-382.99 cw(c445.77,-392.64) 455.42,-392.64 455.42,-446.76 cw(c447.62,-446.76) 447.62,-454.56 443.41,-454.56 ccw(c443.41,-488.33) 419.53,-464.45 411.81,-472.16 ccw(c427.62,-487.97) 405.27,-487.97 405.27,-538.88 cw(c389.67,-538.88) 389.67,-554.48 388.68,-554.48 cw(c388.68,-533.06) 367.26,-533.06
  region net NetC2_1: 264.85,-421.25 222.32,-421.25 ccw(c222.32,-425.88) 217.69,-425.88 217.69,-455.45 ccw(c231.14,-455.45) 231.14,-468.89 232.9,-468.89 233.18,-468.9 cw(c233.18,-489.98) 248.08,-475.08 cw(c218.46,-504.7) 260.36,-504.71 260.36,-537.93 ccw(c272.02,-537.93) 272.02,-549.6 297.79,-549.6 ccw(c297.79,-545.44) 301.95,-545.44 301.95,-481.08 cw(c327.67,-481.08) 309.48,-462.89 ccw(c306.88,-460.29) 310.56,-460.29 310.56,-430.62 ccw(c301.17,-430.62) 301.63,-421.25
  region net NetD2_1: 783.24,-338 cw(c794.71,-338.05) 794.71,-326.58 936.7,-326.57 cw(c936.7,-356.8) 966.93,-356.8 966.93,-395.45 cw(c948.18,-395.45) 948.18,-414.2 799.56,-414.2 cw(c799.56,-397.9) 783.25,-397.9
  region net H_GND: 593.99,-232.02 ccw(c593.99,-215.01) 611,-215.01 611,-167.23 ccw(c587.77,-167.23) 587.77,-144 438,-144 ccw(c438,-153) 429,-153 429,-203.31 cw(c379.44,-203.31) 414.48,-238.36 389.16,-263.68 ccw(c416.49,-291.01) 377.84,-291.01 377.84,-291.84 cw(c328.74,-291.84) 363.46,-326.56 335.33,-354.69 cw(c318.7,-338.06) 318.7,-361.58 278.3,-361.58 ccw(c278.3,-370.59) 269.29,-370.59 269.29,-405.67 ccw(c272.97,-405.67) 272.97,-409.35 360.67,-409.35 ccw(c360.67,-403.01) 367.01,-403 367.02,-384.96 cw(c380.04,-384.96) 380.04,-371.94 428.2,-371.93 ccw(c428.2,-337.83) 452.32,-361.94 481.72,-332.56 565.18,-249.1 573.97,-240.32 cw(c593.99,-260.34)
  region net NetC1_1: 720,-317 720,-399 cw(c707,-399) 707,-412 614,-412 cw(c614,-398) 600,-398 600,-325 cw(c617,-325) 617,-308 656,-308 ccw(c656,-289) 675,-289 675,-157 cw(c680,-157) 680,-152 796,-152 cw(c796,-169) 813,-169 813,-244 cw(c765,-244) 765,-292 745,-292 ccw(c745,-317)
  region net +311V: 746,-15 775,-15 cw(c775,-49) 809,-49 809,-101 cw(c768,-101) 768,-142 681,-142 cw(c681,-139) 678,-139 ccw(c669,-139) 669,-130 538,-130 cw(c538,-119) 527,-119 527,-110 ccw(c521,-110) 521,-104 441,-104 cw(c441,-86) 423,-86 423,-60 cw(c468,-60) 468,-15 479,-15
  region net AC_N: 171.92,-163.97 165.32,-170.58 145.24,-171.14 39.6,-171.14 21.43,-152.98 21.43,-39.13 39.83,-20.73 276.72,-20.73 289.7,-33.71 289.7,-98.34 280.6,-107.45 184.37,-107.45 171.93,-119.9

## Silkscreen, mask and mechanical layers (free items; w line width, h text height)
Top Overlay:
  text "SW1" at 1212.44,-855 h40 r270
  text "SW2" at 1212.44,-943 h40 r270
  text "SW3" at 1212.44,-1031 h40 r270
  text "GND" at 1212.44,-1117 h40 r270
  text "0" at 1390,-1180 h200
Bottom Overlay:
  text "JK1" at 24.44,-572.06 h40 r270
  text "JK3" at 20.44,-771.06 h40 r270
  text "JK2" at 21.44,-971.06 h40 r270
  text "0" at 293,-1110 h200
  text "TIME: 2022.04.10" at 300,-1147.56 h40
  text "Version: 02" at 248,-1188.56 h40
Top Solder:
  rectangle: 1622.05,-1160 1716,-907
Bottom Solder:
  rectangle: 1622.05,-1160 1716,-906.94
  lines w15: 122,-321 122,-360.7 ccw(c242.71,-360.7) 157.36,-446.06 197.69,-486.4 cw(c147.27,-536.82) 218.58,-536.82 ccw(c257.85,-536.82) 230.08,-564.59 ccw(c254.98,-539.69) 254.98,-574.9 cw(c254.98,-679.2) 328.73,-605.45 360.35,-637.06 cw(c339.88,-657.53) 368.82,-657.53 368.82,-745.57 ; 366.3,-1149.3 cw(c451.65,-1063.94) 330.94,-1063.94 330.94,-1037.06 cw(c451.65,-1037.06) 366.3,-951.7 369,-949 327.8,-907.8 cw(c390.09,-845.51) 302,-845.51 cw(c381.96,-845.51) 325.42,-788.97 368.82,-745.57 ; 369,-746 cw(c369.43,-745.57) 368.82,-745.57

## Text inside footprints (layer, text, board x,y; h text height)
B1: Bottom Overlay "~" at 325.93,-200.99 h100 r90; Bottom Overlay "~" at 325.93,-95.99 h100 r90; Bottom Overlay "-" at 435.93,-190.99 h120 r90; Bottom Overlay "+" at 435.93,-95.99 h100 r90